# KiCad board ISA65816.kicad_pcb (continued)
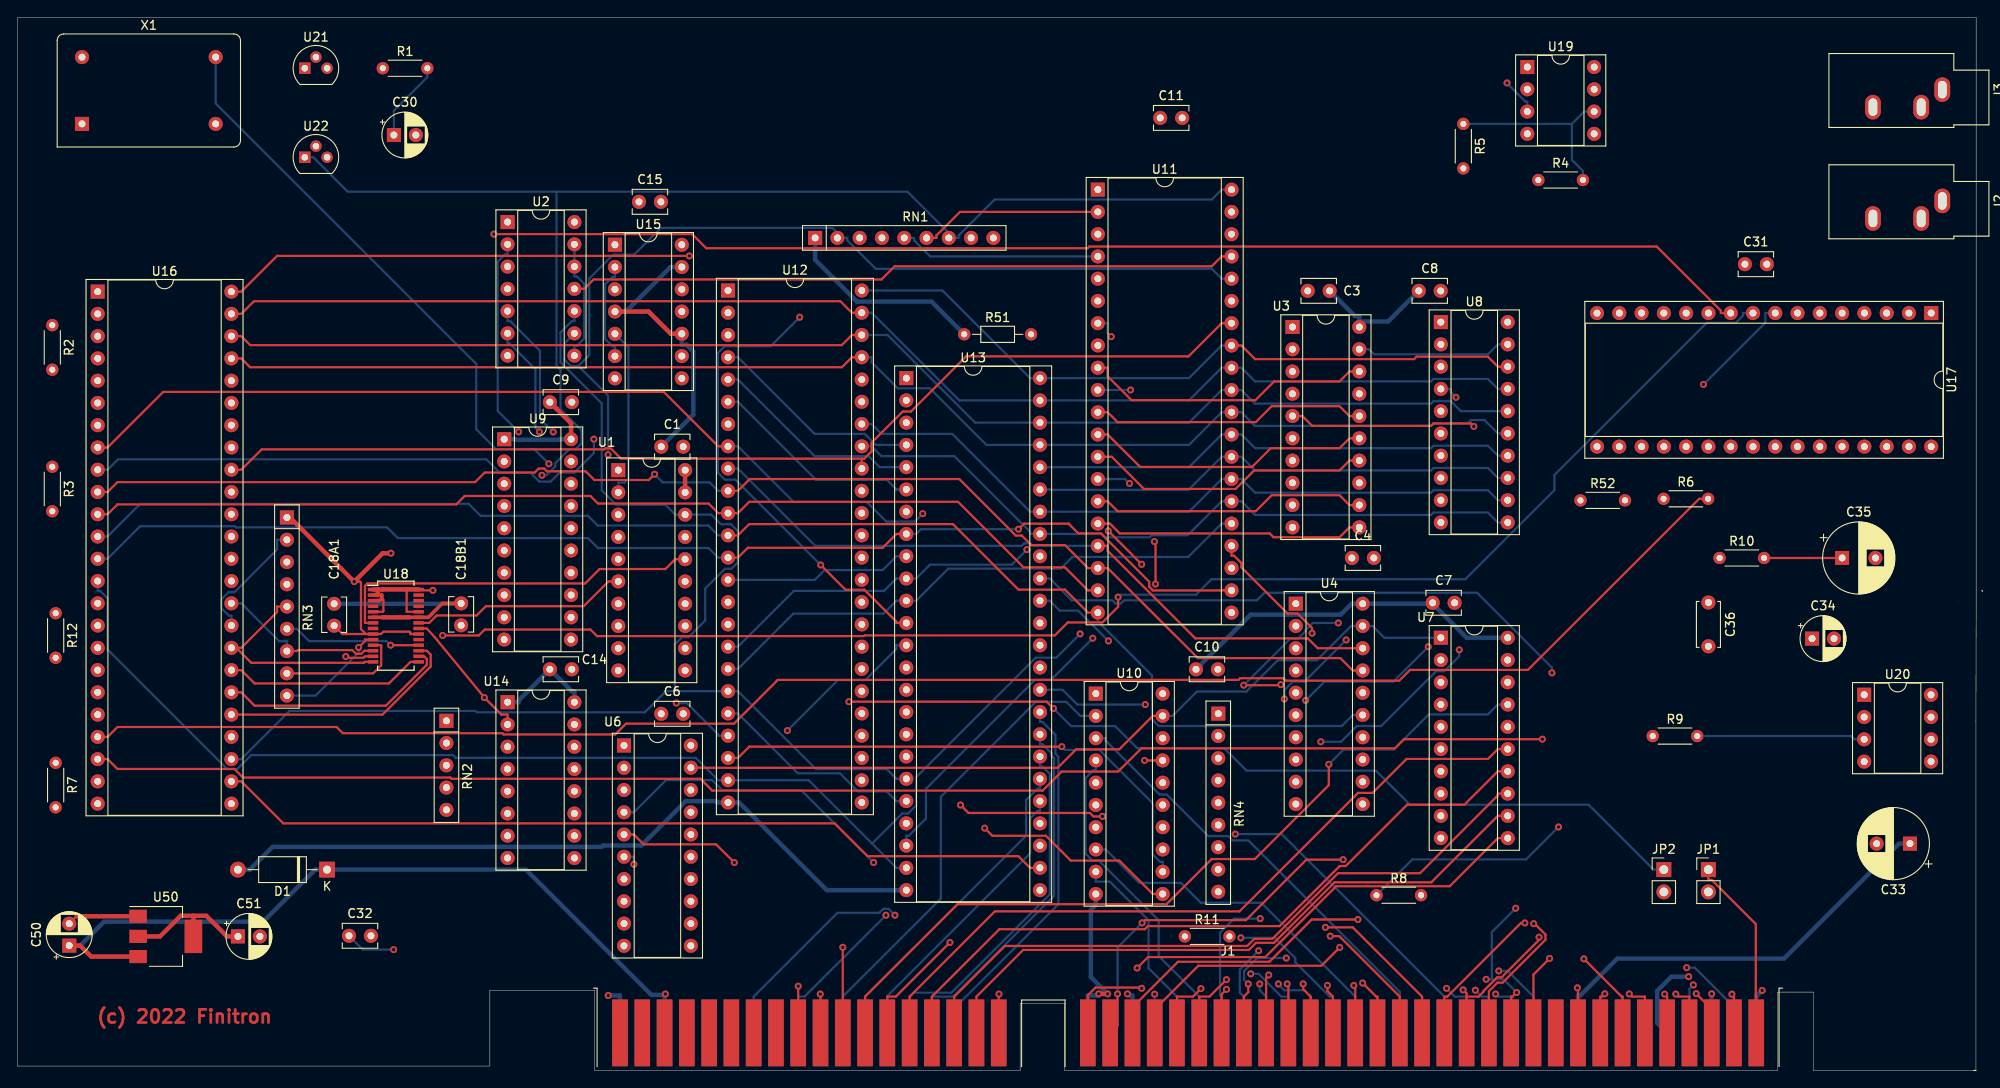
[diagram p0: board, top side]
## Routing (per net, layer and track width the routed paths; a pad name or vN(x,y) marks a point on that pad's centre or on a via; arc(x,y) is an arc through that point) (continued)
/Clkgen/V1: length 30.1
  Top w0.25: U18.11 41.45,48.53 41.45,46.23 40.54,45.31 RN3.8
  In1.Cu w0.25: U16.35 24.38,54.72 24.1,54.72 23.23,53.86 23.23,50.28 24.02,49.49 25.4,49.49 29.58,45.31 RN3.8
/Clkgen/V2: length 19.4
  Top w0.25: 40.53,47.89 39.54,47.89 39.18,47.54 38.58,47.54 38.16,47.96 31.94,47.96 31.83,47.85 RN3.7 ; 40.53,47.89 U18.12 40.53,47.89
  Bottom w0.25: U16.34 25.5,53.3 29.83,48.98 30.71,48.98 RN3.7
/Clkgen/V3: length 34.4
  Top w0.25: 40.53,47.26 40.53,47.26 ; 40.53,47.26 U18.13 ; 40.53,47.26 39.6,47.26 39.44,47.09 37.57,47.09 v1(37.42,47.24)
  In1.Cu w0.25: v1(37.42,47.24) 37.42,53.56 31.55,59.43 30.71,59.43 RN3.2
  Bottom w0.25: U16.33 24.38,51.89 24.1,51.89 23.24,52.75 23.24,53.76 24.05,54.57 24.73,54.57 29.58,59.43 29.58,60.55 RN3.2
/Clkgen/V4: length 25
  Top w0.25: 40.53,46.62 U18.14 40.53,46.62 ; 40.53,46.62 39.6,46.62 39.49,46.51 26.65,46.51 24.94,48.22 ; U16.32 24.38,48.22 24.94,48.22 ; 24.94,48.22 25.5,48.22 29.58,52.3 29.58,52.93 RN3.5
/Clkgen/V5: length 46.7
  Top w0.25: 45.73,46.62 U18.15 45.73,46.62 ; 45.73,46.62 44.8,46.62 42.34,44.16 27.03,44.16 25.5,45.69 24.38,45.69 U16.31
  In1.Cu w0.25: RN3.4 29.58,55.47 25.49,59.57 23.91,59.57 22.75,58.41 22.75,48.16 24.1,46.81 24.38,46.81 U16.31
/Clkgen/V6: length 55.7
  Top w0.25: U18.16 45.73,47.26 46.35,47.26 46.65,46.96 46.65,46.29 41.99,41.62 27.03,41.62 25.5,43.14 24.38,43.14 U16.30
  In1.Cu w0.25: RN3.3 29.43,58.01 25.36,62.08 23.94,62.08 22.25,60.4 22.25,46.11 24.1,44.27 24.38,44.27 U16.30
/Clkgen/V7: length 57.1
  Top w0.25: U16.29 24.38,40.6 41.61,40.6 47.1,46.1 47.1,47.44 46.65,47.89 U18.17
  In1.Cu w0.25: U16.29 24.38,40.6 23.25,40.6 19.56,36.91 8.62,36.91 4.34,41.19 R12.2
/Clkgen/V8: length 32.9
  Top w0.25: 45.73,48.53 U18.18 45.73,48.53 ; 45.73,48.53 v1(42.53,48.53)
  In1.Cu w0.25: RN3.6 30.71,49.27 30.99,49.27 31.83,48.42 31.83,44.78 31.1,44.04 30.36,44.04 25.5,39.19 25.5,38.06 24.38,38.06 U16.28
  Bottom w0.25: v1(42.53,48.53) 42.07,48.99 33.24,48.99 31.83,50.39 RN3.6
GND: length 129.7
  Top w0.25: 40.53,49.8 41.44,49.8 41.71,50.06 44.68,50.06 44.79,49.95 44.79,49.8 45.73,49.8 ; 40.53,49.8 U18.9 ; 40.53,49.8 39.71,49.8 ; 13.75,17.6 U50.1 ; v1(38.38,55.77) 39.04,55.77 39.15,55.66 39.15,50.36 39.71,49.8 ; 45.73,52.34 44.36,52.34 44.36,54.83 44.43,54.89 ; 45.73,52.34 U18.24 ; 45.73,52.34 45.73,52.34 ; 45.73,49.8 U18.20 ; 45.73,49.8 45.73,49.8 ; 39.71,49.8 37.05,49.8 C18A1.1 ; 6.74,17.6 C50.2 ; U18.28 45.82,54.78 v1(47.35,54.78) ; U18.5 40.53,52.34 41.62,52.34 41.71,52.43 41.71,53.69 41.53,53.87 ; 31.06,63.09 RN3.1
  Top w0.4: U18.28 45.71,54.89 ; U18.2 41.53,54.24 41.53,53.87 41.27,53.61 U18.3
  Top w0.5: 31.06,63.09 v1(38.38,55.77) 41.63,59.02 v1(42.56,59.02) ; 13.75,17.6 6.74,17.6
  Top w0.504: 41.06,54.88 41.06,54.24 ; 41.06,54.88 41.58,54.88 41.6,54.89 45.71,54.89 ; 41.06,54.88 U18.1 ; v1(124.28,8.74) v1(123.27,8.74)
  In1.Cu w0.25: v1(42.56,59.02) 43.11,59.02 ; C33.2 211.95,25.88 ; U6.10 69.14,14.22
  In1.Cu w0.5: 43.11,59.02 v1(47.35,54.78)
  In1.Cu w0.504: 69.14,14.22 69.14,12.97 67.34,11.17 v1(67.34,8.56) ; 211.95,25.88 211.95,22.18 v1(198.9,9.13)
  Bottom w0.25: 68.68,6.42 J1.80 ; 198.22,6.42 J1.1 ; 122.02,6.42 J1.31
  Bottom w0.504: 68.68,4.29 68.68,8.56 v1(67.34,8.56) ; U10.10 122.93,18.88 122.36,18.31 122.36,10.66 v1(124.28,8.74) ; v1(198.9,9.13) 198.32,8.56 198.22,8.56 198.22,4.29 ; 122.02,4.29 122.02,8.56 123.08,8.56 v1(123.27,8.74)
/A0: length 145.4
  Top w0.25: v1(128.15,9.38) 128.06,9.46 122.9,9.46 122.02,8.59 122.02,4.29 J1.62
  In1.Cu w0.25: v1(128.15,9.38) 128.15,9.12 132.18,5.09 166.66,5.09 169.73,8.17 169.73,11.55 166.68,14.59 163.94,14.59 156.86,21.68 156.86,46.19 156.5,46.55 156.5,50.25 156.14,50.61 156.14,55.69 156.24,55.79 156.24,78.1 153.18,81.17 147.6,81.17 146.47,82.29 U3.2
/A1: length 138.2
  Top w0.25: J1.61 125.41,5.14 v1(125.41,8.74) ; v1(151.12,24.05) 146.94,24.05 140.04,17.15 128.52,17.15 v1(128.21,16.84)
  In1.Cu w0.25: 145.35,80.31 145.35,80.88 145.07,80.88 144.22,81.72 144.22,82.76 145.17,83.71 161.14,83.71 161.42,83.99 162.72,83.99 164.72,81.99 164.72,76.37 164.4,76.05 164.4,58.12 160.19,53.91 160.19,52.52 160.83,51.88 v1(160.83,48.34) ; 145.35,80.31 145.35,79.75 145.35,80.31 ; v1(146.85,42.22) 147.09,41.99 147.09,37.49 147.71,36.86 147.71,35.51 151.12,32.1 v1(151.12,24.05)
  Bottom w0.25: v1(160.83,48.34) 156.85,44.37 149,44.37 v1(146.85,42.22) ; v1(128.21,16.84) 125.41,14.04 v1(125.41,8.74)
/A2: length 100
  Top w0.25: J1.60 127.1,4.29 127.1,7.21 132.29,12.4 142.72,12.4 147.54,17.23 v1(152.81,17.23)
  In1.Cu w0.25: 145.35,76.65 U3.4 145.35,76.65 ; 145.35,76.65 145.35,76.09 145.63,76.09 146.47,75.24 146.47,74.49 152.64,68.32 153.33,68.32 155.75,65.89 155.75,55.94 155.69,55.87 155.69,49.34 156.05,48.98 156.05,46.36 156.41,46 156.41,23.96 152.81,20.36 v1(152.81,17.23)
/A3: length 120.1
  Top w0.25: 145.35,74.67 146.47,74.67 147.6,73.55 161.14,73.55 161.42,73.83 165.69,73.83 v1(166.02,73.49) ; J1.59 129.64,4.29 129.64,6.98 134.61,11.95 148.65,11.95 v1(150.73,14.04)
  In1.Cu w0.25: v1(150.73,14.04) 151.18,14.49 151.18,23.06 151.87,23.74 151.87,34.22 v1(148.58,37.51) ; v1(164.36,48) 165.61,49.24 165.61,56.93 166.02,57.34 v1(166.02,73.49)
  Bottom w0.25: v1(164.36,48) 164.36,47.26 162.66,45.56 161.73,45.56 155.47,39.3 152.68,39.3 150.88,37.51 v1(148.58,37.51)
/A4: length 98.3
  Top w0.25: v1(134.91,9.34) 134,8.43 132.18,8.43 132.18,4.29 J1.58
  In1.Cu w0.25: 145.35,71.57 145.35,71.01 145.63,71.01 146.47,70.16 146.47,65.77 153.38,58.87 153.38,56.49 155.15,54.72 155.15,49.02 155.6,48.57 155.6,46.18 155.91,45.87 155.91,24.73 152.08,20.91 152.08,14.92 154.59,12.41 154.59,9.47 153.36,8.24 136.01,8.24 v1(134.91,9.34) ; 145.35,71.57 U3.6 145.35,71.57
/A5: length 92.9
  Top w0.25: J1.57 134.72,4.29 134.72,8.43 135.88,8.43 v1(137.82,10.36) ; v1(139.79,43.96) 143.95,43.96 v1(144.02,44.03)
  In1.Cu w0.25: v1(144.02,44.03) 142.71,42.71 142.71,18.59 143.43,17.87 143.43,12.37 145.47,10.33 145.47,9.56 145.05,9.14 139.04,9.14 v1(137.82,10.36) ; 145.35,69.03 145.35,69.59 145.35,69.03 ; 145.35,69.03 145.35,68.47 145.07,68.47 144.22,67.62 144.22,58.81 150.57,52.46 v1(150.57,51.06)
  Bottom w0.25: v1(150.57,51.06) 147.66,51.06 146.85,50.26 146.85,50.14 146.02,49.3 145.13,49.3 v1(139.79,43.96)
/A6: length 87.4
  Top w0.25: v1(137.83,9.26) 137.26,8.69 137.26,4.29 J1.56
  In1.Cu w0.25: 145.35,66.49 U3.8 145.35,66.49 ; 145.35,66.49 145.35,65.93 145.6,65.93 149.32,62.21 149.32,56.8 152.22,53.9 152.22,50.24 152.89,49.57 153.56,49.57 155.15,47.98 155.15,45.99 155.46,45.69 155.46,26.38 151.63,22.55 151.63,13.79 154.08,11.34 154.08,9.65 153.13,8.69 138.39,8.69 v1(137.83,9.26)
/A7: length 72.2
  Top w0.25: J1.55 139.8,4.29 139.8,8.43 140.31,8.93 v1(140.31,9.87)
  In1.Cu w0.25: v1(151.47,49.12) 151.47,53.79 148.71,56.55 148.71,60.22 145.54,63.39 145.35,63.39 145.35,63.95 ; v1(144.64,12.82) 144.33,13.13 144.33,19.06 143.61,19.79 143.61,41.58 v1(144.41,42.38) ; 145.35,63.95 U3.9 145.35,63.95
  Bottom w0.25: v1(144.41,42.38) 144.41,43.39 145.39,44.37 146.71,44.37 v1(151.47,49.12) ; v1(140.31,9.87) 139.84,10.34 139.84,11.35 141.31,12.82 v1(144.64,12.82)
/A8: length 49.2
  Top w0.25: J1.54 142.34,4.29 142.34,10.59 v1(142.64,10.9)
  In1.Cu w0.25: v1(142.64,10.9) 142.53,11 142.53,17.49 141.81,18.22 141.81,45.95 145.45,49.59 145.73,49.59 145.73,50.16 ; 145.73,50.16 U4.2 145.73,50.16
/A9: length 47.1
  Top w0.25: v1(144.74,9.88) 144.88,9.74 144.88,4.29 J1.53
  In1.Cu w0.25: v1(144.74,9.88) 144.74,9.89 142.98,11.65 142.98,17.68 142.26,18.4 142.26,43.86 145.45,47.05 145.73,47.05 145.73,47.62 ; 145.73,47.62 U4.3 145.73,47.62
/A10: length 44.9
  Top w0.25: J1.52 147.42,4.29 147.42,8.43 146.56,9.29 v1(146.56,9.88)
  In1.Cu w0.25: 145.73,45.08 U4.4 145.73,45.08 ; 145.73,45.08 145.73,44.51 145.53,44.51 144.32,43.3 144.24,43.3 143.16,42.22 143.16,19.6 143.88,18.88 143.88,12.55 146.56,9.88 v1(146.56,9.88)
/A11: length 42.6
  Top w0.25: v1(149.34,9.71) 149.34,9.06 149.96,8.43 149.96,4.29 J1.51
  In1.Cu w0.25: 145.73,42.54 145.73,41.97 145.45,41.97 144.1,40.62 144.1,19.93 144.78,19.25 144.78,14.26 v1(149.34,9.71) ; 145.73,42.54 U4.5 145.73,42.54
/A12: length 40.7
  Top w0.25: v1(152.35,9.71) 152.5,9.55 152.5,4.29 J1.50
  In1.Cu w0.25: 145.73,40 U4.6 145.73,40 ; 145.73,40 145.73,39.43 145.5,39.43 144.55,38.48 144.55,20.12 145.23,19.44 145.23,16.82 v1(152.35,9.71)
/A13: length 38.7
  Top w0.25: J1.49 155.04,4.29 155.04,8.43 154.9,8.43 v1(153.35,9.98)
  In1.Cu w0.25: 145.73,37.46 U4.7 145.73,37.46 ; 145.73,37.46 145.73,36.89 146.01,36.89 147.1,35.8 147.1,34.85 150.4,31.55 150.4,14.72 150.01,14.34 150.01,13.31 v1(153.35,9.98)
/A14: length 37.6
  Top w0.25: v1(149.65,15.33) 150.68,15.33 157.58,8.43 157.58,4.29 J1.48
  In1.Cu w0.25: 145.73,34.92 U4.8 145.73,34.92 ; 145.73,34.92 145.73,34.35 146.01,34.35 149.83,30.53 149.83,15.51 v1(149.65,15.33)
/A15: length 37.1
  Top w0.25: v1(149.11,16.33) 152.22,16.33 160.12,8.43 160.12,4.29 J1.47
  In1.Cu w0.25: 145.73,32.38 145.73,31.81 145.92,31.81 149.11,28.63 v1(149.11,16.33) ; 145.73,32.38 U4.9 145.73,32.38
/A16: length 49.5
  Top w0.25: v1(171.84,16.83) 171.4,16.83 162.99,8.43 162.66,8.43 162.66,4.29 J1.46
  In1.Cu w0.25: 169.88,46.27 169.88,46.83 ; 169.88,46.27 169.88,45.71 169.62,45.71 168.76,44.85 168.76,19.52 171.45,16.83 v1(171.84,16.83) ; 169.88,46.27 169.89,46.27 U7.19
/A17: length 132.1
  Top w0.25: 165.2,8.43 165.2,4.29 J1.45 ; 165.2,8.43 165.2,8.79 v1(164.8,9.19) ; 165.2,8.43 166.57,8.43 167.13,8.98 167.13,9.06 168.7,10.63 169.19,10.63 173.46,14.91 v1(173.46,15.21) ; v1(94.08,14.06) 94.08,4.29 J1.88
  In1.Cu w0.25: v1(173.46,15.21) 173.57,15.31 173.57,24.92 173.08,25.41 173.08,40.25 170.17,43.17 169.88,43.17 169.88,43.73 ; v1(94.08,14.06) 94.27,13.87 128.08,13.87 135.06,6.89 162.5,6.89 v1(164.8,9.19) ; U7.18 169.89,43.73 169.88,43.73 ; 169.88,43.73 169.88,44.29
/A18: length 135.1
  Top w0.25: v1(172.84,16.75) 172.95,16.75 174.19,15.51 174.19,14.91 169.31,10.02 168.72,10.02 167.74,9.04 167.74,4.29 J1.44 ; J1.87 96.62,4.29 96.62,8.43 107.17,18.98 130.99,18.98 136.14,24.12 141.05,24.12 149.49,32.56 v1(149.49,34.93)
  In1.Cu w0.25: U7.17 169.88,41.75 169.88,40.63 170.17,40.63 171.52,39.27 171.52,18.17 172.84,16.86 v1(172.84,16.75)
  Bottom w0.25: U7.17 169.88,41.75 168.76,41.75 167.63,40.63 160.89,40.63 156.87,36.6 151.16,36.6 v1(149.49,34.93)
/A19: length 119.5
  Top w0.25: J1.43 170.28,4.29 170.28,8.43 170.44,8.43 v1(170.91,8.9) ; v1(106.29,14.6) 100.12,8.43 99.16,8.43 99.16,4.29 J1.86
  In1.Cu w0.25: v1(167.42,10.4) 164.94,10.4 163.63,9.1 163.63,8.98 162,7.34 135.25,7.34 127.99,14.6 v1(106.29,14.6) ; 169.88,38.65 169.89,38.65 U7.16 ; 169.88,38.65 169.88,39.21 ; 169.88,38.65 169.88,38.09 170.08,38.09 171.01,37.16 171.01,18.72 v1(170.8,18.51)
  Bottom w0.25: v1(167.42,10.4) 168.08,10.4 ; 168.08,10.4 168.08,15.79 v1(170.8,18.51) ; 168.08,10.4 169.41,10.4 v1(170.91,8.9)
/A20: length 84
  Top w0.25: J1.85 101.7,4.29 101.7,8.43 111.43,18.15 139.3,18.15 152.82,31.67 154.47,31.67 158.35,35.55 167.63,35.55 168.76,36.67 169.88,36.67 U7.15
/A21: length 80.4
  Top w0.25: J1.84 104.24,4.29 104.24,8.43 111.93,16.12 128.51,16.12 128.87,16.47 143.88,16.47 150.73,23.33 151.42,23.33 158.41,30.32 164.95,30.32 168.76,34.13 169.88,34.13 U7.14
/A22: length 77
  Top w0.25: J1.83 106.78,4.29 106.78,8.43 112.56,14.2 140.19,14.2 141.01,15.02 143.05,15.02 150.55,22.51 159.89,22.51 168.76,31.38 168.76,31.59 169.88,31.59 U7.13
/A23: length 73.2
  Top w0.25: U7.12 169.88,29.05 168.76,29.05 161.18,21.47 150.15,21.47 143.24,14.57 141.19,14.57 140.38,13.75 114.65,13.75 109.32,8.43 109.32,4.29 J1.82
/ABORTB: length 29.3
  In1.Cu w0.25: U11.3 122.03,95.42 121.3,96.16 100.64,96.16 99.82,95.34 99.82,94.6 99.09,93.87 97.13,93.87 RN1.3
/AEN: length 220.3
  Top w0.25: U6.19 77.88,34.54 77.9,34.53 118.58,34.53 120.69,36.65 125.61,36.65 129.42,40.46 130.55,40.46 U10.19 ; J1.42 172.82,4.29 172.82,10.94 v1(174.66,12.78)
  In1.Cu w0.25: 169.88,82.29 165.23,77.64 165.23,76.25 164.85,75.86 164.85,57.62 162.58,55.36 162.58,50.81 162.26,50.5 162.26,49.37 ; 169.88,82.29 169.88,81.72 170.17,81.72 178.18,73.71 R52.1 ; 169.88,82.29 169.88,82.57 ; 169.88,82.57 169.89,82.57 U8.19 ; 169.88,82.57 169.88,82.85 ; U7.1 162.26,49.37 ; 162.26,49.37 162.26,48.76 161.14,47.63 161.14,26.03 167.92,19.26 168.39,19.26 174.66,12.98 v1(174.66,12.78)
  Bottom w0.25: U10.19 130.55,40.46 131.67,40.46 134.45,43.23 140.09,43.23 143.66,46.8 148.12,46.8 152.04,50.72 U4.19 154.47,50.72 155.82,49.37 162.26,49.37 U7.1 ; U8.19 168.76,82.85 167.63,81.72 154.66,81.72 154.09,82.29 U3.19
/ALE: length 70.4
  In1.Cu w0.25: U6.8 69.14,19.3 79.55,8.89 89.76,8.89 90.97,10.1 128.45,10.1 129.64,8.92 v1(129.64,8.7)
  Bottom w0.25: J1.28 129.64,4.29 129.64,8.7 v1(129.64,8.7)
/BE: length 161.9
  In1.Cu w0.25: v1(75.1,41.92) 73.06,43.96 68.56,43.96 65.33,47.18 65.33,48.56 63.45,50.44 62.7,50.44 58.61,54.53 58.61,68.97 60.09,70.45 61.04,70.45 61.75,69.74 61.75,69.19 62.61,68.33 65.4,68.33 v1(67.32,70.26)
  Bottom w0.25: U12.21 81,38.2 79.88,38.2 79.88,38.34 76.3,41.92 v1(75.1,41.92) ; U11.36 137.27,90.34 136.15,91.47 97.84,91.47 94.59,94.72 94.59,95 94.03,95 ; 63.94,80.38 63.07,80.38 62.35,81.11 62.35,82.97 U2.9 ; 63.94,80.38 65.18,81.62 65.18,90.37 67.9,93.09 70.29,93.09 73.34,96.14 92.89,96.14 94.03,95 ; 63.94,80.38 67.32,77 v1(67.32,70.26) ; 94.03,95 RN1.2
/Clkgen/ANAIN: length 213.8
  In1.Cu w0.25: R5.2 163.8,102.93 149.18,117.55 33.16,117.55 31.22,115.62 31.22,113.71 7.1,89.58 7.1,56.19 8.86,54.43 9.14,54.43 U16.15
/Clkgen/AUD: length 194.5
  In1.Cu w0.25: C32.1 20.17,32.98 9.14,32.98 U16.23 ; R8.2 160.01,20 161.03,20 165.83,15.2 166.71,15.2 170.18,11.73 170.18,7.98 166.79,4.59 131.82,4.59 126.93,9.49 114.52,9.49 112.57,7.54 77.72,7.54 69.88,15.38 44.48,15.38 v1(42.88,13.79)
  Bottom w0.25: v1(42.88,13.79) 39.37,13.79 C32.1
/Clkgen/CTS0: length 238.7
  Top w0.25: v1(48.46,49.63) 52.59,49.63 53.27,50.31 65.31,50.31 66.06,49.56 96.5,49.56 96.58,49.64 118.25,49.64 119.73,51.12 123.68,51.12 125.47,52.91 v1(125.47,54.01)
  In1.Cu w0.25: v1(48.46,49.63) 30.96,67.14 23.91,67.14 21.68,64.92 21.68,51.56 9.56,39.43 8.69,39.43 8,40.12 8,42.01 8.57,42.58 ; 8.57,42.58 U16.19 ; 8.57,42.58 9.14,43.14
  Bottom w0.25: U17.9 196.72,86.42 196.72,86.14 195.88,85.3 192.56,85.3 175.21,67.94 175.21,66.21 165.05,56.05 136.11,56.05 134.34,54.28 125.74,54.28 v1(125.47,54.01)
/Clkgen/GCLK: length 71.3
  Top w0.25: U14.2 55.86,40.61 55.16,40.61 v1(53.22,42.55) 47.55,49.45 46.65,50.43 U18.21
  In1.Cu w0.25: v1(57.13,72.87) 57.13,46.45 v1(53.22,42.55)
  Bottom w0.25: 55.86,93.7 55.86,93.14 55.58,93.14 54.74,92.3 54.74,75.26 v1(57.13,72.87) ; 55.86,93.7 U2.2 55.86,93.7
/Clkgen/Q1: length 49.8
  In1.Cu w0.25: U14.3 54.74,36.94 53.76,37.92 48.89,37.92 ; U16.39 29.88,66 47.77,48.11 47.77,38.91 48.19,38.48 48.89,38.48 48.89,37.92 ; RN2.2 48.89,37.92
/Clkgen/Q2: length 49.2
  In1.Cu w0.25: RN2.3 48.89,35.28 ; 48.89,35.28 48.89,35.94 48.69,35.94 38.16,46.48 38.16,54.7 30.89,61.97 27,61.97 25.5,63.46 U16.38 ; 48.89,35.28 53.86,35.28 54.74,34.4 U14.4
/Clkgen/Q3: length 48.4
  In1.Cu w0.25: U14.5 54.74,31.86 53.76,32.84 48.89,32.84 RN2.4 48.89,33.4 48.61,33.4 47.77,34.25 47.77,35.58 32.54,50.8 32.54,55.25 31.05,56.74 29.73,56.74 25.55,60.92 U16.37
/Clkgen/Q4: length 46.7
  In1.Cu w0.25: U16.36 24.38,57.26 24.78,57.26 30.38,51.66 31.05,51.66 47.32,35.39 47.32,32.25 48.7,30.86 48.89,30.86 RN2.5 54.32,29.74 54.74,29.32 U14.6
/Clkgen/RTS0: length 243.5
  Top w0.25: v1(54.3,95.43) 76.9,95.43 78.51,93.82 121.98,93.82 122.18,94.01 186.87,94.01 194.18,86.7 194.18,86.42 U17.10
  In1.Cu w0.25: U16.20 9.14,41.73 9.42,41.73 10.74,43.05 10.74,71.11 9.5,72.35 8.8,72.35 8,73.16 8,86.77 8.9,87.68 46.56,87.68 v1(54.3,95.43)
/Clkgen/RxD0: length 267.7
  In1.Cu w0.25: U17.6 204.34,86.42 204.34,86.7 203.5,87.55 197.32,87.55 174.32,110.54 157.84,110.54 150.35,118.02 32.96,118.02 30.42,115.48 30.42,113.54 6.65,89.76 6.65,51.56 8.86,49.35 9.14,49.35 U16.17
/Clkgen/TxD0: length 271.4
  In1.Cu w0.25: v1(192.2,78.28) 186.25,78.28 147.42,117.1 33.35,117.1 31.68,115.43 31.68,113.52 7.55,89.39 7.55,60.88 8.77,59.65 9.52,59.65 10.28,58.9 10.28,47.67 9.42,46.81 9.14,46.81 U16.18
  Bottom w0.25: v1(192.2,78.28) 199.26,85.33 199.26,86.42 U17.8
/Clkgen/VPROG: length 221.8
  Top w0.25: v1(173.84,37.8) 158.07,37.8 157.02,36.76 128.12,36.76 125.47,34.11 119.04,34.11 116.87,31.93 79.2,31.93 77.86,33.27 49.49,33.27 49.34,33.42 25.71,33.42 24.73,34.4 11.39,34.4 10.26,35.52 9.14,35.52 U16.22
  In1.Cu w0.25: v1(173.84,37.8) 173.84,45.31 174.63,46.1 175.05,46.1 195.31,66.35 195.31,68.77 ; U16.22 9.14,34.4 8.93,34.4 5.37,30.84 5.37,30.02 R7.2 ; 195.31,68.77 U17.23 195.31,68.77
/Clkgen/VRESET: length 204.7
  Top w0.25: R6.2 191.71,65.23 172.19,45.71 158.75,45.71 157.51,44.47 144.6,44.47 144.32,44.75 139.38,44.75 139.19,44.56 86.67,44.56 81.68,39.57 69.37,39.57 68.14,38.34 55.42,38.34 55.27,38.48 37.08,38.48 36.38,39.19 11.39,39.19 10.26,38.06 9.14,38.06 U16.21
  In1.Cu w0.25: 192.73,65.74 192.73,66.25 192.77,66.29 192.77,68.73 ; 192.74,65.74 R6.2 192.73,65.74 ; 192.77,68.73 U17.22 192.77,68.73
/D0: length 97.1
  Top w0.25: v1(177.83,9.43) 177.9,9.35 177.9,6.82 ; 177.9,6.82 J1.40 ; 177.9,6.82 177.9,4.29
  In1.Cu w0.25: 162.26,82.29 162.26,81.72 162.55,81.72 163.41,80.86 163.41,77.29 162.62,76.5 161.88,76.5 157.49,72.11 157.49,55.76 157.04,55.31 157.04,50.99 157.4,50.62 157.4,46.92 157.76,46.56 157.76,24.93 166.58,16.1 167.08,16.1 171.08,12.1 171.08,11.44 173.17,9.35 177.76,9.35 v1(177.83,9.43) ; 162.26,82.29 162.26,82.85 ; 162.26,82.29 162.27,82.29 U8.2
/D1: length 96.5
  Top w0.25: 180.44,6.36 J1.39 ; 180.44,6.36 180.44,4.29 ; 180.44,6.36 180.44,8.43 180.64,8.43 v1(180.96,8.75)
  In1.Cu w0.25: 162.26,79.75 162.26,79.18 161.98,79.18 157.04,74.24 157.04,55.95 156.59,55.5 156.59,50.8 156.95,50.44 156.95,46.74 157.31,46.38 157.31,24.73 166.39,15.65 166.9,15.65 170.63,11.92 170.63,11.26 173.19,8.7 180.91,8.7 v1(180.96,8.75) ; 162.26,79.75 162.27,79.75 U8.3 ; 162.26,79.75 162.26,80.31
/D2: length 92
  Top w0.25: 182.98,4.29 182.98,6.25 ; 182.98,6.25 J1.38 ; 182.98,6.25 182.98,8.43 182.88,8.43 v1(178.57,12.74)
  In1.Cu w0.25: v1(178.57,12.74) 175.73,12.74 175.05,12.06 174.33,12.06 173.78,12.6 173.78,13.22 168.2,18.81 167.73,18.81 160.46,26.08 160.46,47.69 160.1,48.04 160.1,51.74 159.74,52.11 159.74,54.19 163.94,58.4 163.94,76.76 v1(163.99,76.81)
  Bottom w0.25: U8.4 163.39,77.77 163.39,77.4 v1(163.99,76.81)
/D3: length 94.2
  Top w0.25: v1(183.74,8.73) 184.05,8.43 185.52,8.43 185.52,6.36 ; 185.52,4.29 185.52,6.36 ; 185.52,6.36 J1.37
  In1.Cu w0.25: 162.26,74.67 162.26,75.23 ; 162.26,74.67 162.27,74.67 U8.5 ; 162.26,74.67 162.26,74.1 162.08,74.1 157.94,69.96 157.94,55.58 157.49,55.13 157.49,51.17 157.85,50.81 157.85,47.11 158.21,46.75 158.21,25.14 166.8,16.55 167.27,16.55 171.53,12.29 171.53,11.67 173.4,9.81 176.1,9.81 176.49,10.2 182.28,10.2 v1(183.74,8.73)
/D4: length 93.3
  Top w0.25: 188.06,6.25 188.06,8.43 v1(187.78,8.71) ; 188.06,6.25 J1.36 ; 188.06,6.25 188.06,4.29
  In1.Cu w0.25: 162.26,72.13 162.26,71.56 162.08,71.56 158.39,67.87 158.39,55.39 157.94,54.94 157.94,51.36 158.3,51 158.3,47.3 158.66,46.94 158.66,25.33 166.98,17 167.46,17 171.98,12.48 171.98,11.86 173.59,10.25 175.91,10.25 176.3,10.65 185.84,10.65 v1(187.78,8.71) ; 162.26,72.13 162.27,72.13 U8.6 ; 162.26,72.13 162.26,72.69
/D5: length 92.6
  Top w0.25: 190.6,6.28 190.6,8.43 189.34,8.43 v1(189.05,8.72) ; 190.6,6.28 J1.35 ; 190.6,6.28 190.6,4.29
  In1.Cu w0.25: 162.26,69.59 162.26,69.02 161.98,69.02 158.84,65.88 158.84,55.2 158.39,54.75 158.39,51.55 158.75,51.18 158.75,47.48 159.11,47.12 159.11,25.52 167.17,17.45 167.64,17.45 172.43,12.66 172.43,12.04 173.77,10.7 175.72,10.7 176.12,11.1 186.67,11.1 v1(189.05,8.72) ; 162.26,69.59 162.27,69.59 U8.7 ; 162.26,69.59 162.26,70.15
/D6: length 90.6
  Top w0.25: 193.14,5.64 193.14,6.99 v1(191.37,8.76) ; 193.14,5.64 193.14,4.29 ; 193.14,5.64 J1.34
  In1.Cu w0.25: U8.8 162.27,67.05 162.26,67.05 ; 162.26,67.05 162.26,66.48 162.55,66.48 163.42,65.61 163.42,58.51 159.29,54.38 159.29,51.92 159.65,51.56 159.65,47.86 160.01,47.5 160.01,25.89 167.54,18.36 168.02,18.36 173.33,13.04 173.33,12.42 174.15,11.61 175.35,11.61 175.74,12 187.5,12 190.74,8.76 v1(191.37,8.76) ; 162.26,67.05 162.26,67.61
/D7: length 92.6
  Top w0.25: 195.68,6.38 195.68,8.47 v1(195.44,8.71) ; 195.68,6.38 J1.33 ; 195.68,6.38 195.68,4.29
  In1.Cu w0.25: v1(195.44,8.71) 194.76,8.02 190.77,8.02 187.24,11.55 175.93,11.55 175.54,11.16 173.96,11.16 172.88,12.23 172.88,12.85 167.83,17.91 167.36,17.91 159.56,25.7 159.56,47.31 159.2,47.67 159.2,51.37 158.84,51.73 158.84,54.57 159.29,55.02 159.29,61.25 161.98,63.94 162.26,63.94 162.26,64.51 ; 162.26,64.51 162.27,64.51 U8.9 ; 162.26,64.51 162.26,65.07
/DACK0*: length 55.1
  In1.Cu w0.25: 96.24,63.03 96.24,62.47 96.52,62.47 99.03,59.96 99.03,56.79 100.96,54.87 109.26,54.87 114.2,49.92 119.35,49.92 130.23,39.04 130.55,39.04 130.55,37.92 ; 96.24,63.03 96.24,63.6 ; 96.24,63.03 96.24,63.03 U12.38 ; 130.55,37.92 U10.18 ; 130.55,37.92 135.51,37.92 135.76,38.17 RN4.2
/DACK1*: length 55.2
  Top w0.25: U10.17 130.55,35.38 v1(128.48,35.38)
  In1.Cu w0.25: 95.67,57.95 95.1,57.38 95.1,55.52 95.91,54.71 98.48,54.71 100.86,52.33 103.53,52.33 111.29,44.57 119.14,44.57 121.83,41.87 123.13,41.87 125.28,39.72 125.28,38.58 v1(128.48,35.38) ; 95.67,57.95 96.24,58.52 ; 95.67,57.95 U12.36 ; U10.17 130.55,35.38 135.51,35.38 135.76,35.63 RN4.3
/DACK2*: length 50.7
  In1.Cu w0.25: 131.69,33.09 RN4.4 ; 131.69,33.09 131.69,33.33 131.45,33.57 128.87,33.57 123.28,39.16 121.26,39.16 118.37,42.05 109.5,42.05 101.77,49.79 100.88,49.79 97.37,53.3 97.37,53.44 U12.34 ; 131.69,33.09 131.67,33.07 131.67,32.84 130.55,32.84 U10.16
/DACK3*: length 48.4
  In1.Cu w0.25: 130.55,30.3 135.51,30.3 135.76,30.55 RN4.5 ; 130.55,30.3 129.42,30.3 129.42,30.58 123.5,36.5 120.72,36.5 117.47,39.75 110.53,39.75 103.03,47.25 98.48,47.25 97.37,48.36 96.24,48.36 U12.32 ; 130.55,30.3 U10.15
/DACK5*: length 48.5
  In1.Cu w0.25: 130.55,27.76 U10.14 ; 130.55,27.76 129.42,27.76 129.42,28.04 123.22,34.24 121.6,34.24 121.37,34.48 112.68,34.48 102.54,44.62 98.71,44.62 97.37,43.28 96.24,43.28 U12.30 ; 130.55,27.76 135.51,27.76 135.76,28.01 RN4.6
/DACK6*: length 50.6
  In1.Cu w0.25: 96.24,37.63 96.24,37.63 U12.28 ; 96.24,37.63 96.24,38.2 ; 96.24,37.63 96.24,37.07 96.52,37.07 97.37,36.23 97.37,35.56 100.92,32.01 102.49,32.01 104.93,29.57 118.08,29.57 119.94,31.42 124.02,31.42 129.73,25.72 131.65,25.72 131.72,25.64 131.72,25.47 ; U10.13 130.55,25.22 131.67,25.22 131.67,25.42 131.72,25.47 ; 131.72,25.47 RN4.7
/DRQ0: length 33.8
  In1.Cu w0.25: U9.18 64.23,66.95 64.56,67.28 93.97,67.28 95.12,66.14 U12.39
/DRQ1: length 34.8
  In1.Cu w0.25: U9.17 64.23,64.41 64.58,64.76 91.41,64.76 95.12,61.06 U12.37
/DRQ2: length 39.7
  In1.Cu w0.25: 96.24,56.54 96.24,57.1 96.52,57.1 97.37,57.95 97.37,59.05 96.77,59.64 66.46,59.64 64.23,61.87 U9.16 ; 96.24,56.54 96.24,55.98 ; 96.24,56.54 96.24,56.54 U12.35
/DRQ3: length 37.2
  In1.Cu w0.25: U9.15 64.23,59.33 64.23,58.34 67.94,54.63 91.38,54.63 95.12,50.9 96.24,50.9 ; 96.24,50.9 U12.33 ; 96.24,50.9 96.24,50.9
/DRQ5: length 38.3
  In1.Cu w0.25: U9.14 64.23,56.79 64.23,55.8 67.9,52.13 88.8,52.13 95.12,45.82 96.24,45.82 ; 96.24,45.82 96.24,45.82 ; 96.24,45.82 U12.31
/DRQ6: length 39.3
  In1.Cu w0.25: 96.24,40.74 94.81,40.74 93.69,41.86 78.13,41.86 70.55,49.45 68.05,49.45 64.23,53.26 64.23,54.25 U9.13 ; 96.24,40.74 96.24,40.74 ; 96.24,40.74 U12.29
/IOR*: length 118.6
  In1.Cu w0.25: v1(97.59,23.73) 97.59,18.06 99.96,15.69 127.53,15.69 135.43,7.79 161.33,7.79 v1(162.91,9.37)
  Bottom w0.25: v1(97.59,23.73) 89.33,31.99 80.33,31.99 79.19,33.13 73.93,33.13 70.26,29.46 U6.4 ; 165.2,6.36 J1.14 ; 165.2,6.36 165.2,8.43 163.85,8.43 v1(162.91,9.37) ; 165.2,6.36 165.2,4.29
/IORDU*: length 40.3
  In1.Cu w0.25: U6.16 114.16,26.92 115.44,28.2 116.56,28.2 ; 116.56,28.2 116.56,28.2 ; 116.56,28.2 U13.28
/IOW*: length 114.6
  Top w0.25: U6.5 70.26,26.92 71.39,25.8 79.64,25.8 v1(81.72,23.73)
  In1.Cu w0.25: v1(81.72,23.73) 92.13,13.31 127.67,13.31 134.54,6.44 163.48,6.44 v1(166.2,9.16)
  Bottom w0.25: 167.74,6.25 167.74,4.29 ; 167.74,6.25 167.74,8.43 166.93,8.43 v1(166.2,9.16) ; 167.74,6.25 J1.13
/IOWRU*: length 40.3
  In1.Cu w0.25: 116.56,25.66 U13.27 ; 116.56,25.66 116.56,25.66 ; 116.56,25.66 115.44,25.66 114.23,24.45 77.95,24.45 77.88,24.38 U6.15
/IRQ2*: length 112.5
  In1.Cu w0.25: v1(174.93,45.37) 174.93,25.21 190.37,9.76 v1(191.05,9.76)
  Bottom w0.25: J1.4 190.6,4.29 190.6,9.32 v1(191.05,9.76) ; v1(174.93,45.37) 174.93,45.97 166.39,54.51 142.16,54.51 141.29,53.64 126.13,53.64 125.77,53.28 125.17,53.28 124.81,53.64 120.18,53.64 117.69,56.14 U13.39
/IRQ3*: length 72
  In1.Cu w0.25: v1(124.36,49.01) 135.76,49.01 141.36,43.42 141.36,17.64 v1(141.67,17.32)
  Bottom w0.25: U13.38 117.69,53.6 118.81,52.47 120.91,52.47 v1(124.36,49.01) ; v1(141.67,17.32) 141.67,17.32 138.68,17.32 137.09,15.73 137.09,8.6 137.26,8.43 137.26,4.29 J1.25
/IRQ4*: length 66.6
  In1.Cu w0.25: v1(141.49,13.67) 141.69,13.86 141.69,16.29 140.91,17.07 140.91,39.46 135.6,44.77 135.6,46.16 134.08,47.68 122.24,47.68 118.86,51.06 116.56,51.06 U13.37
  Bottom w0.25: J1.24 139.8,4.29 139.8,8.43 139.35,8.88 139.35,11.52 v1(141.49,13.67)
/IRQ5*: length 61.6
  In1.Cu w0.25: v1(141.62,9.87) 141.33,10.15 141.33,11.8 140.32,12.82 140.32,14.33 140.71,14.72 140.71,15.99 140,16.69 140,34.12 137.37,36.76 130.11,36.76 129.16,37.71 129.16,39.46 120.11,48.52 116.56,48.52 U13.36
  Bottom w0.25: J1.23 142.34,4.29 142.34,8.43 141.62,9.15 v1(141.62,9.87)
/IRQ6*: length 62.2
  In1.Cu w0.25: v1(140.59,11.03) 139.87,11.75 139.87,14.51 140.23,14.88 140.23,15.43 139.55,16.1 139.55,32.05 137.35,34.25 130.08,34.25 129.21,35.12 129.21,35.92 128.71,36.42 128.71,39.28 122.01,45.98 116.56,45.98 U13.35
  Bottom w0.25: J1.22 144.88,4.29 144.88,8.43 144.08,8.43 141.48,11.03 v1(140.59,11.03)
/IRQ7*: length 64
  In1.Cu w0.25: v1(143.74,9.87) 142.64,9.87 141.84,10.67 141.84,11.93 140.77,13 140.77,14.14 141.19,14.57 141.19,16.14 140.45,16.88 140.45,36.22 137.33,39.34 133.34,39.34 130.94,41.75 v1(128.57,41.75)
  Bottom w0.25: J1.21 147.42,4.29 147.42,8.43 146.7,9.15 144.43,9.15 143.74,9.83 v1(143.74,9.87) ; U13.34 116.56,43.44 119.14,43.44 120.83,41.75 v1(128.57,41.75)
/IRQ9*: length 24.5
  Bottom w0.25: U12.20 81,40.74 82.13,40.74 88.95,33.91 93.75,33.91 95.81,31.85 99.09,31.85 100.2,30.74 101.32,30.74 ; 101.32,30.74 U13.20 ; 101.32,30.74 101.32,30.74
/IRQ10*: length 43.1
  Bottom w0.25: 116.56,40.9 116.56,40.33 ; 116.56,40.33 116.56,40.33 U13.33 ; 116.56,40.33 116.56,39.77 116.84,39.77 118.32,38.29 118.32,36.13 118.66,35.79 118.66,18.97 106.78,7.09 106.78,4.29 J1.65
/IRQ11*: length 42.6
  Bottom w0.25: 116.56,37.79 116.56,37.79 U13.32 ; 116.56,37.79 116.56,37.23 116.84,37.23 117.88,36.2 117.88,35.94 118.16,35.65 118.16,19.93 106.66,8.43 104.24,8.43 104.24,4.29 J1.66 ; 116.56,37.79 116.56,38.36
/IRQ12*: length 41.9
  Bottom w0.25: 116.56,35.25 116.56,35.25 U13.31 ; 116.56,35.25 116.56,34.69 116.84,34.69 117.69,33.85 117.69,20.09 106.47,8.88 102.15,8.88 101.7,8.43 101.7,4.29 J1.67 ; 116.56,35.25 116.56,35.82
/IRQ14*: length 38
  Bottom w0.25: 116.56,32.71 116.56,32.71 U13.30 ; 116.56,32.71 116.56,32.15 116.28,32.15 114.99,30.86 114.99,26.79 96.62,8.43 96.62,4.29 J1.69 ; 116.56,32.71 116.56,33.28
/IRQ15*: length 34.4
  Bottom w0.25: U13.29 116.56,30.17 116.56,30.17 ; 116.56,30.17 116.56,29.61 116.28,29.61 115.44,28.77 115.44,24.77 99.16,8.5 99.16,4.29 J1.68 ; 116.56,30.17 116.56,30.74
/IRQ*: length 95.2
  Top w0.25: 101.32,51.06 100.2,51.06 100.2,51.2 96.54,54.85 94.39,54.85 v1(91.56,57.68) ; 101.32,51.06 101.32,51.06 ; 101.32,51.06 U13.12
  In1.Cu w0.25: 101.09,93.58 RN1.5 101.09,93.58 ; 101.09,93.58 101.09,92.17 96.72,87.8 91.02,87.8 v1(89.17,85.95)
  Bottom w0.25: v1(91.56,57.68) 81.83,67.41 80.65,67.41 79.85,68.21 79.85,81.87 80.62,82.65 85.87,82.65 v1(89.17,85.95) ; RN1.5 102.21,95 102.21,94.72 104.05,92.88 U11.4
/MEMR*: length 52.2
  Top w0.25: 91.54,6.49 91.54,8.69 v1(91.51,8.72) ; 91.54,6.49 J1.89 ; 91.54,6.49 91.54,4.29
  In1.Cu w0.25: v1(91.51,8.72) 91.24,8.44 79.07,8.44 69.33,18.18 68.66,18.18 67.09,19.75 67.09,31.66 68.86,33.42 69.14,33.42 69.14,33.98 ; 69.14,33.98 69.14,33.98 U6.2 ; 69.14,33.98 69.14,34.54
/MEMRU*: length 40
  In1.Cu w0.25: v1(87.76,38.78) 87.76,35.66 80.39,28.29 76.28,28.29 75.59,28.98 75.59,30.84 U6.18
  Bottom w0.25: 101.32,48.52 101.32,48.52 ; 101.32,48.52 U13.13 ; 101.32,48.52 100.2,48.52 100.2,48.09 96.65,44.55 93.53,44.55 v1(87.76,38.78)
/MEMW*: length 46.5
  Top w0.25: 89,4.29 89,6.96 ; 89,6.96 v1(89,9.62) ; 89,6.96 J1.90
  In1.Cu w0.25: U6.3 69.14,31.44 69.14,31.44 ; 69.14,32 69.14,31.44 ; 69.14,31.44 69.14,30.88 68.86,30.88 67.55,29.57 67.55,21.83 68.8,20.57 69.53,20.57 73.4,16.7 73.4,15.91 79.69,9.62 v1(89,9.62)
/MEMWU*: length 40
  In1.Cu w0.25: 101.32,45.98 U13.14 ; 101.32,45.98 98.97,45.98 97.47,44.48 95.81,44.48 95.12,43.79 95.12,42.8 95.84,42.08 96.56,42.08 97.41,41.23 97.41,40.3 96.65,39.54 84.07,39.54 81.48,36.94 80.63,36.94 78.91,35.22 78.91,32.45 77.04,30.59 76.76,30.59 76.76,30.03 ; 101.32,45.98 101.32,45.98 ; 76.76,30.03 U6.17 76.76,30.03
